# Altium PCB bas_Pcb.PcbDoc (part 1 of 2) (continued)
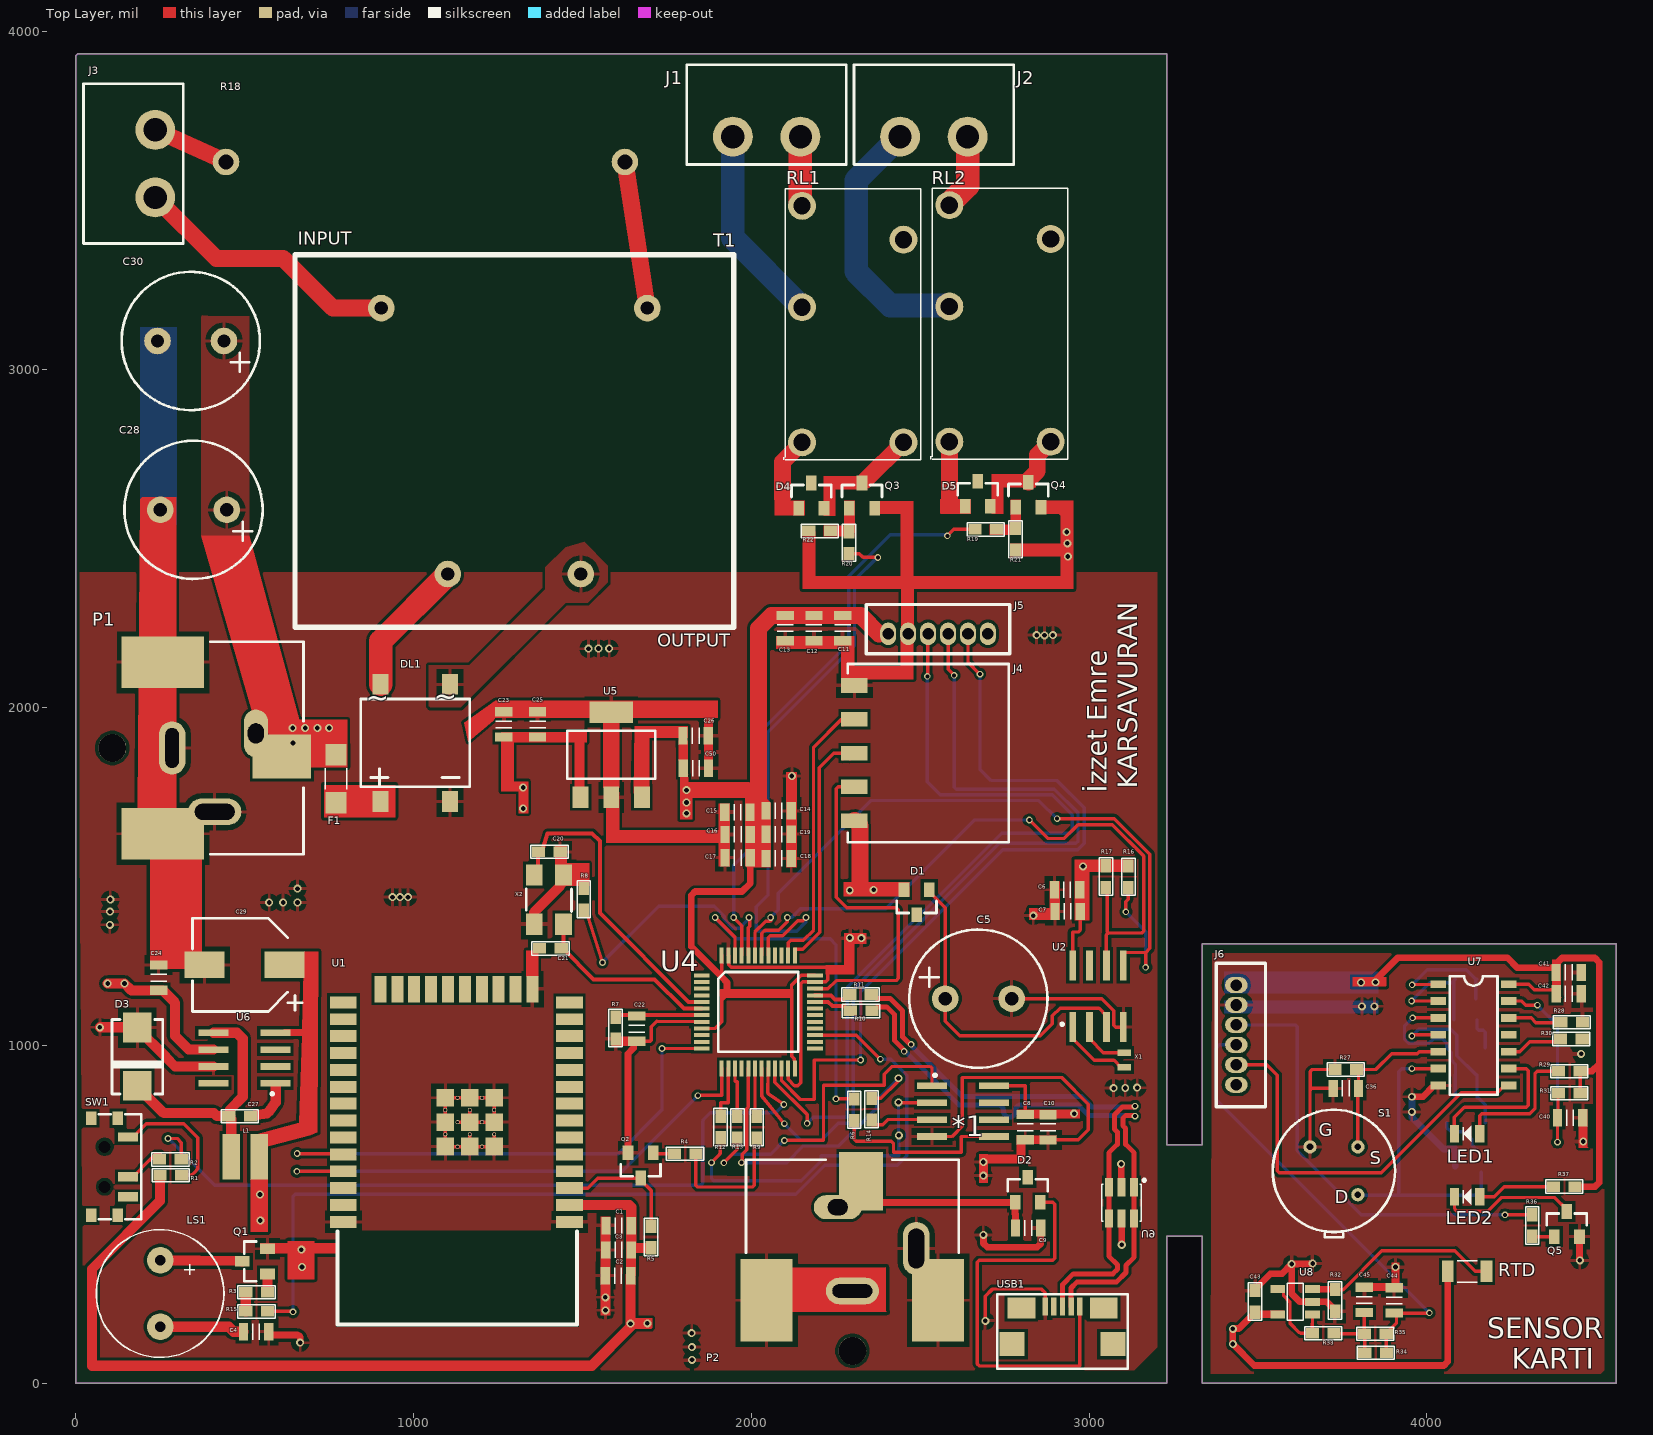
[diagram p0: Top Layer view]
## Components (designator, comment, footprint, x,y, rotation, side; value= is the part's Value field where it differs from the comment)
*1 "Max6662MSA+" SOIC8 2626.2,804.8 r270 top
C1 "CL21A475KAQNNNE" CAP_0805 1607,466 r0 top
C2 "CL21B105KBFNNNE" CAP_0805 1605,318 r180 top
C3 "CL21B104KBCNNNC" CAP_0805 1606.6,394 r180 top
C4 "CL21B104KBCNNNC" CAP_0805 533.6,152 r0 top
C5 "ESH477M050AH4AA" CAP_RADIAL_D10_P5 2672,1138 r0 top
C6 "CL21B105KBFNNNE" CAP_0805 2935.9,1396.1 r180 top
C7 "CL21B104KBCNNNC" CAP_0805 2934.7,1460.3 r180 top
C8 "CL21B104KBCNNNC" CAP_0805 2810.8,757.4 r270 top
C9 "CL21A475KAQNNNE" CAP_0805 2819.4,459 r0 top
C10 "CL21B105KBFNNNE" CAP_0805 2878,757.1 r270 top
C11 "CL21A475KAQNNNE" CAP_0805 2270,2235 r90 top
C12 "CL21A475KAQNNNE" CAP_0805 2185,2235 r90 top
C13 "CL21B105KBFNNNE" CAP_0805 2100,2235 r90 top
C14 "CL21A475KAQNNNE" CAP_0805 2080.6,1694 r180 top
C15 "CL21B105KBFNNNE" CAP_0805 1958.4,1690 r180 top
C16 "CL21B104KBCNNNC" CAP_0805 1959.4,1624 r180 top
C17 "CL21B104KBCNNNC" CAP_0805 1959.4,1555 r180 top
C18 "CL21B104KBCNNNC" CAP_0805 2080.6,1553 r0 top
C19 "CL21B104KBCNNNC" CAP_0805 2080.6,1625 r0 top
C20 "CL10C200JB8NNNC" CAP_0603 1401.91,1572.8 r180 top
C21 "CL10C200JB8NNNC" CAP_0603 1405,1286.7 r0 top
C22 "CL21B104KBCNNNC" CAP_0805 1660.3,1048.9 r270 top
C23 "CL21B105KBFNNNE" CAP_0805 1267,1949.76 r90 top
C24 "CL21B105KBFNNNE" CAP_0805 245,1200 r90 top
C25 "CL21B104KBCNNNC" CAP_0805 1366.84,1949.76 r90 top
C26 "CL21A475KAQNNNE" CAP_0805 1835,1915.9 r180 top
C27 "0603B103K160CT" CAP_0603 485,790 r180 top
C28 "ESH477M050AH4AA" CAP_RADIAL_D10_P5 348.43,2585 r180 top
C29 "EEV686M035A9HAA" CAP_EEVSERIES 499.02,1237.76 r180 top
C30 "ESH477M050AH4AA" CAP_RADIAL_D10_P5 340,3085 r180 top
C31 "C3216X5R1E336M160AC" CAP_1206 4115.75,770.2 r0 bottom
C32 "C3216X5R1E336M160AC" CAP_1206 4115.75,992.6 r0 bottom
C33 "0603B103K160CT" CAP_0603 4115.75,913.4 r180 bottom
C34 "CL21B104KBCNNNC" CAP_0805 4123,623.9 r0 bottom
C35 "0603B103K160CT" CAP_0603 4115.75,1195.5 r0 bottom
C36 "CL21B104KBCNNNC" CAP_0805 3759.7,872.2 r0 top
C37 "CL21A475KAQNNNE" CAP_0805 3736.6,1145.4 r90 bottom
C38 "CL21A475KAQNNNE" CAP_0805 3651.3,1146.1 r90 bottom
C39 "CL21B105KBFNNNE" CAP_0805 3571.1,1145.7 r90 bottom
C40 "CL21B104KBCNNNC" CAP_0805 4423.9,785.6 r180 top
C41 "CL21B104KBCNNNC" CAP_0805 4419.5,1215.6 r180 top
C42 "CL21B105KBFNNNE" CAP_0805 4419.7,1152.2 r180 top
C43 "C0603C104K5RACTU" CAP_0603 3490.8,241.5 r270 top
C44 "CL21A475KAQNNNE" CAP_0805 3814.6,246.1 r270 top
C45 "CL21B105KBFNNNE" CAP_0805 3903.1,244.5 r270 top
C50 "CL21B105KBFNNNE" CAP_0805 1835.6,1820.4 r0 top
D1 "1N4148WS" SOT23-F 2489,1423.2 r180 top
D2 "1N4148WS" SOT23-F 2818,572 r0 top
D3 "1SMB5919BT3G" SMB 182,966 r90 top
D4 "1N4148WS" SOT23-F 2177.6,2627.2 r0 top
D5 "1N4148WS" SOT23-F 2670,2632.8 r0 top
DL1 "DB105STR" DB-S/DB105STR 1005,1895 r180 top
F1 "Fulse_3413.0216.22" 1206_FULSE 770,1789.13 r90 top
J1 "TBP01R1-508-02BE" TBP01R1-508 2045,3690 r180 top
J2 "TBP01R1-508-02BE" TBP01R1-508 2540,3690 r180 top
J3 "TBP01R1-508-02BE" TBP01R1-508 235,3610 r270 top
J4 "SMH-105-02-L-S" PINHEADER1X5_RA 2305,1865 r90 top
J5 "64800611622" 64800611622 2552.64,2218 r0 top
J6 "64800611622" 64800611622 3435.5,1030.57 r270 top
L1 "78438335470" IND_1212 501.34,670 r0 top
LED1 "LTST-C171GKT" LED_GREEN_0805 4118.6,738.1 r0 top
LED2 "LH R974-LP-1" LED_RED_0805 4118.6,551.7 r0 top
LS1 "CMI-9605IC-0580T" CMI-9605IC-0580T 250,265 r0 top
P1 "PJ-037AH-SMT-TR" JACK 228.9,1895.75 r0 top
P2 "PJ-037AH-SMT-TR" JACK 2283.19,216.46 r90 top
Q1 "MMBT3904-7-F" SOT23-F 530,360 r90 top
Q2 "MMBT3904-7-F" SOT23-F 1672,644 r180 top
Q3 "MMBT3904-7-F" SOT23-F 2327.4,2627.2 r0 top
Q4 "MMBT3904-7-F" SOT23-F 2820,2630 r0 top
Q5 "MMBT3904-7-F" SOT23-F 4414,470.6 r0 top
R1 "RC0603JR-07100RL" RES_0603 281,615 r180 top
R2 "RC0603JR-07100RL" RES_0603 280,662 r180 top
R3 "RC0603JR-07100RL" RES_0603 535,269 r180 top
R4 "RC0603JR-074K7L" RES_0603 1803.7,678.9 r0 top
R5 "RC0603JR-07100RL" RES_0603 1702.9,432.3 r270 top
R6 "RC0603JR-07100RL" RES_0603 2304.2,808.9 r270 top
R7 "RC0603JR-07100RL" RES_0603 1597.9,1050.8 r270 top
R8 "RC0603JR-07100RL" RES_0603 1503.9,1431.9 r270 top
R9 "RC0603JR-07100RL" RES_0603 2015.5,757.2 r90 top
R10 "RC0603JR-0715RL" RES_0603 2324.71,1101.7 r0 top
R11 "RC0603JR-0715RL" RES_0603 2322.91,1150.4 r0 top
R12 "RC0603JR-07100RL" RES_0603 1908.8,758 r90 top
R13 "RC0603JR-07100RL" RES_0603 1958.5,757.3 r90 top
R14 "RC0603JR-07100RL" RES_0603 2355.7,810.6 r90 top
R15 "RC0603JR-07100RL" RES_0603 535,212 r0 top
R16 "RC0603JR-074K7L" RES_0603 3115.9,1498.68 r90 top
R17 "RC0603JR-074K7L" RES_0603 3049.5,1499.39 r90 top
R18 "5WD27" RES_5WD27 1035,3615 r0 top
R19 "RC0603FR-0710KL" RES_0603 2694,2527.2 r0 top
R20 "RC0603FR-0710KL" RES_0603 2289,2487.81 r90 top
R21 "RC0603FR-0710KL" RES_0603 2782,2498 r270 top
R22 "RC0603FR-0710KL" RES_0603 2201.91,2522.7 r180 top
R23 "RC0603JR-07560KL" RES_0603 4115.75,845 r180 bottom
R24 "RC0603FR-0710KL" RES_0603 4115.75,693 r0 bottom
R25 "RC0603FR-0710KL" RES_0603 4115.75,1075.3 r180 bottom
R26 "RC0603JR-07560KL" RES_0603 4115.75,1136.1 r0 bottom
R27 "RC0603JR-0743KL" RES_0603 3759.6,928.2 r0 top
R28 "RC0603JR-070RL" RES_0603 4428.2,1067.9 r180 top
R29 "RC0603FR-0710KL" RES_0603 4421.5,923.3 r0 top
R30 "RC0603JR-070RL" RES_0603 4427.2,1018.3 r180 top
R31 "RC0603JR-07220KL" RES_0603 4421.41,858.1 r0 top
R32 "RC0603FR-0710KL" RES_0603 3728.1,244.5 r90 top
R33 "RC0603FR-0710KL" RES_0603 3692.71,147.4 r0 top
R34 "RC0603JR-07220KL" RES_0603 3848.2,89.5 r0 top
R35 "RC0603JR-07220KL" RES_0603 3846.9,146 r0 top
R36 "RC0603FR-0710KL" RES_0603 4311.7,466.39 r270 top
R37 "RC0603JR-07100RL" RES_0603 4406.2,581.4 r180 top
RL1 "ALQ112" ALQ112 2300,3135 r90 top
RL2 "ALQ112" ALQ112 2736,3137 r90 top
RTD "TFPT1206L1002FM" RES_1206 4118.6,331.3 r180 top (schematic designator *2)
S1 "LHI 878/3902" "LHI 878" 3724.5,628.2 r0 top
SW1 "EG1215AA" EG1215AA 85,640 r270 top
T1 "BV302S12010" BV302S 1302.09,2784.76 r0 top
U1 "ESP32-WROOM32" ESP-32 1118.88,754.92 r180 top
U2 "M41T00M6F" SOIC8 3026,1145 r0 top
U4 "STM32F103C6T6A" LQFP48 2020.32,1098.73 r270 top
U5 "AP7361 - 33E - 13" SOT223 1585,1860 r0 top
U6 "LM2675MX-12/12VDC-5VDC" SOIC8 499.02,962.17 r90 top
U7 "NCS36000DRG" SOIC14 4137.78,1030.9 r0 top
U8 "OPA314AIDBVR" SOT23-5 3609.9,240.4 r180 top
U9 "USBLC6-2SC6" SOT23-6L 3095.6,533.4 r270 top
USB1 "10118192-0001LF" MICRO_USB_B 2921.02,227.2 r0 top
X1 "ABS05-32.768KHZ-T" ABS05 3103.8,956.6 r90 top
X2 "ECS-160-20-30B-TR" ECS 1400.2,1431.3 r90 top

## Footprints (in the part's own frame and the unit in brackets; to place one, negate y for a bottom-side part, rotate by r counter-clockwise, add the part's x,y. Pads: shape width x height; smd on the part's side, far side on the other; paste and mask are expansions set on the pad)
1206_FULSE [mm]
  rect 1.6x1.6 smd mask+0.05: 1(-1.8,0) 2(1.8,0)
  silkscreen extent -0.8,-0.8 0.8,0.8, body extent -1.61,-0.8 1.61,0.8, height 0.64
64800611622 [mm]
  oval 1.2x1.7 hole 0.87 mask+0.05: 1(-3.75,0) 2(-2.25,0) 3(-0.75,0) 4(0.75,0) 5(2.25,0) 6(3.75,0)
  silkscreen extent -5.4,-1.5 5.4,2.2, body extent -5.25,-1.4 5.25,2.1, height 4.75
ABS05 [mm]
  rect 0.5x1 smd mask+0.05: 1(-0.55,0) 2(0.55,0)
  body extent -0.8,-0.5 0.8,0.5, height 0.5
ALQ112 [mm]
  round 2.1 hole 1.3 mask+0.05: 1(6.35,-3.81) 2(1.27,3.81) 3(8.89,3.81) 4(-8.89,-3.81) 5(-8.89,3.81)
  silkscreen extent -10.22,-5.11 10.18,5.2, body extent -10,-5 10,5, height 15.6
BV302S [mm]
  round 2 hole 1 mask+0.05: 1(9.9,10.1) 5(-10.1,10.1) 7(-5.1,-9.9) 9(4.9,-9.9)
  silkscreen extent -16.6,-13.9 16.4,14.1, body extent -16.35,-13.65 16.15,13.85, height 21.8
CAP_0603 [mm]
  rect 1x0.8 smd mask+0.05: 1(-0.817,0) 2(0.818,0)
  silkscreen extent -1.4,-0.5 1.4,0.5, body extent -0.8,-0.45 0.8,0.45, height 0.8
CAP_0805 [mm]
  rect 0.7x1.3 smd mask+0.05: 1(-0.95,0) 2(0.95,0)
  silkscreen extent -0.25,-0.6 0.25,0.6, body extent -1.3,-0.68 1.3,0.68, height 0.9
CAP_1206 [mm]
  rect 0.9x1.6 smd mask+0.05: 1(-1.45,0) 2(1.45,0)
  silkscreen extent -0.3,-0.8 0.3,0.8, body extent -1.97,-0.98 1.97,0.98, height 1.3
CAP_EEVSERIES [mm]
  rect 3x2 smd mask+0.05: 1(-3,0) 2(3,0)
  silkscreen extent -4.35,-3.5 3.9,3.5, body extent -3.8,-3.4 3.8,3.4, height 8.01
CAP_RADIAL_D10_P5 [mm]
  round 2 hole 1 mask+0.05: 1(-2.5,0) 2(2.5,0)
  silkscreen extent -5.2,-5.2 5.2,5.2, body extent -5.25,-5.25 5.25,5.25, height 22.2
CMI-9605IC-0580T [mm]
  round 2 hole 0.8 mask+0.05: 1(0,-2.5) 2(0,2.5)
  silkscreen extent -4.82,-4.8 4.8,4.8, body extent -4.77,-4.79 4.83,4.81, height 8.15
DB-S/DB105STR [mm]
  rect 1.2x1.55 smd mask+0.05: 1(-2.605,-4.4) 2(2.605,-4.4) 3(2.605,4.4) 4(-2.605,4.4)
  silkscreen extent -4.1,-3.3 4.1,3.3, body extent -4.16,-5.2 4.16,5.2, height 2.66
ECS [mm]
  rect 1.6x1.25 smd mask+0.05: 1(-1.85,-1.1) 2(1.85,-1.1) 3(1.85,1.1) 4(-1.85,1.1)
  silkscreen extent -0.9,-1.7 0.8,1.7, body extent -2.5,-1.6 2.5,1.6, height 0.85
EG1215AA [mm]
  rect 0.7x1.5 smd mask+0.05: 1(-2.25,1.75) 2(0.75,1.75) 3(2.25,1.75)
  rect 1x0.8 smd mask+0.05: ""(-3.65,-1) ""(-3.65,1) ""(3.65,-1) ""(3.65,1)
  round 0 hole 0.9 mask+0.05: ""(-1.5,0) ""(1.5,0)
  silkscreen extent -3.95,-0.45 3.95,2.75, body extent -3.85,-2.7 3.85,2.2, height 1.38
ESP-32 [mm]
  rect 2x0.9 smd mask+0.05: 1(-8.7,7.06) 2(-8.7,5.79) 3(-8.7,4.52) 4(-8.7,3.25) 5(-8.7,1.98) 6(-8.7,0.71) 7(-8.7,-0.56) 8(-8.7,-1.83) 9(-8.7,-3.1) 10(-8.7,-4.37) 11(-8.7,-5.64) 12(-8.7,-6.91) 13(-8.7,-8.18) 14(-8.7,-9.45) 25(8.3,-9.45) 26(8.3,-8.18) 27(8.3,-6.91) 28(8.3,-5.64) 29(8.3,-4.37) 30(8.3,-3.1) 31(8.3,-1.83) 32(8.3,-0.56) 33(8.3,0.71) 34(8.3,1.98) 35(8.3,3.25) 36(8.3,4.52) 37(8.3,5.79) 38(8.3,7.06)
  rect 0.9x2 smd mask+0.05: 15(-5.915,-10.45) 16(-4.645,-10.45) 17(-3.375,-10.45) 18(-2.105,-10.45) 19(-0.835,-10.45) 20(0.435,-10.45) 21(1.705,-10.45) 22(2.975,-10.45) 23(4.245,-10.45) 24(5.515,-10.45)
  round 0.3 hole 0.2 mask+0.05: 39(-3.035,-1.357) 39(-3.035,0.478) 39(-2.118,-0.44) 39(-2.118,1.395) 39(-2.118,-2.275) 39(-1.2,0.478) 39(-1.2,-1.357) 39(-0.283,1.395) 39(-0.283,-0.44) 39(-0.283,-2.275) 39(0.635,0.478) 39(0.635,-1.357)
  rect 1.33x1.33 smd mask+0.05: 39(-3.035,-0.44) 39(-3.035,1.395) 39(-3.035,-2.275) 39(-1.2,1.395) 39(-1.2,-0.44) 39(-1.2,-2.275) 39(0.635,1.395) 39(0.635,-0.44) 39(0.635,-2.275)
  silkscreen extent -9.27,7.77 8.73,14.77, body extent -9.17,-10.8 8.73,14.6, height 2.61
IND_1212 [mm]
  rect 1.3x3.4 smd mask+0.05: 1(-1.05,0) 2(1.05,0)
  body extent -1.5,-1.5 1.5,1.5, height 1.2
JACK [mm]
  oval 1.8x3.6 hole 1.2 slot 1.5 at 90 deg: 1(7.725,0.7)
  rect 4.4x3.3 smd: 1(9.675,-1.05)
  rect 6.2x3.9 smd: 2(0.725,6.05) 3(0.725,-6.85)
  oval 2x4 hole 1 slot 3 at 90 deg: 2(1.425,-0.4)
  oval 4x2 hole 1.2 slot 3 at 0 deg: 3(4.625,-5.2)
  round 2.1 hole 2.1 unplated: ""(-3.075,-0.4)
  silkscreen extent 4.3,-8.4 11.3,7.6, body extent -6.18,-8.15 10.92,7.05, height 11.1
LED_GREEN_0805 [mm]
  rect 0.7x1.3 smd mask+0.05: 1(-0.95,0) 2(0.95,0)
  silkscreen extent -0.3,-0.6 0.3,0.6, body extent -1.01,-0.62 1.01,0.62, height 1.1
LED_RED_0805 [mm]
  rect 0.7x1.3 smd mask+0.05: 1(-0.95,0) 2(0.95,0)
  silkscreen extent -0.3,-0.6 0.3,0.6, body extent -1.01,-0.62 1.01,0.62, height 1.1
"LHI 878" [mm]
  round 1 hole 0.5 mask+0.05: 1(1.8,-1.8) 2(1.8,1.8) 3(-1.8,1.8)
  silkscreen extent -4.6,-5 4.6,4.6, body extent -4.6,-5.03 4.6,4.6, height 4.6
LQFP48 [mm] "7mm x 7mm"
  rect 0.3x1.2 smd mask+0.05: 1(-2.75,-4.25) 2(-2.25,-4.25) 3(-1.75,-4.25) 4(-1.25,-4.25) 5(-0.75,-4.25) 6(-0.25,-4.25) 7(0.25,-4.25) 8(0.75,-4.25) 9(1.25,-4.25) 10(1.75,-4.25) 11(2.25,-4.25) 12(2.75,-4.25) 25(2.75,4.25) 26(2.25,4.25) 27(1.75,4.25) 28(1.25,4.25) 29(0.75,4.25) 30(0.25,4.25) 31(-0.25,4.25) 32(-0.75,4.25) 33(-1.25,4.25) 34(-1.75,4.25) 35(-2.25,4.25) 36(-2.75,4.25)
  rect 1.2x0.3 smd mask+0.05: 13(4.25,-2.75) 14(4.25,-2.25) 15(4.25,-1.75) 16(4.25,-1.25) 17(4.25,-0.75) 18(4.25,-0.25) 19(4.25,0.25) 20(4.25,0.75) 21(4.25,1.25) 22(4.25,1.75) 23(4.25,2.25) 24(4.25,2.75) 37(-4.25,2.75) 38(-4.25,2.25) 39(-4.25,1.75) 40(-4.25,1.25) 41(-4.25,0.75) 42(-4.25,0.25) 43(-4.25,-0.25) 44(-4.25,-0.75) 45(-4.25,-1.25) 46(-4.25,-1.75) 47(-4.25,-2.25) 48(-4.25,-2.75)
  silkscreen extent -3,-3 3,3, body extent -4.5,-4.5 4.5,4.5, height 1.63
MICRO_USB_B [mm]
  rect 0.4x1.35 smd mask+0.05: 1(1.3,0) 2(0.65,0) 3(0,0) 4(-0.65,0) 5(-1.3,0)
  rect 1.9x1.8 smd mask+0.05: ""(-3.8,-2.85) ""(3.8,-2.85)
  rect 2.1x1.6 smd mask+0.05: ""(-3.1,-0.122) ""(3.1,-0.122)
  silkscreen extent -4.9,-4.7 4.9,0.9, body extent -3.96,-5.46 3.96,0.2, height 2.79
PINHEADER1X5_RA [mm]
  rect 1.1x2 smd mask+0.05: 1(-5.08,0) 2(-2.54,0) 3(0,0) 4(2.54,0) 5(5.08,0)
  silkscreen extent -6.7,-11.6 6.7,0.5, body extent -6.6,-11.51 6.6,0.43, height 2.41
RES_5WD27 [mm]
  round 2 hole 1.1 mask+0.05: 1(-15,0) 2(15,0)
  body extent -15.4,-4.83 15.4,4.83, height 9.65
RES_0603 [mm]
  rect 1x0.8 smd mask+0.05: 1(-0.817,0) 2(0.818,0)
  silkscreen extent -1.4,-0.5 1.4,0.5, body extent -0.8,-0.4 0.8,0.4, height 0.43
RES_1206 [mm]
  rect 0.9x1.6 smd mask+0.05: 1(-1.45,0.02) 2(1.45,0.02)
  silkscreen extent -0.75,-0.78 0.75,0.82, body extent -1.98,-0.92 1.98,0.96, height 0.55
SMB [mm]
  rect 2.25x2.12 smd mask+0.05: A(2.185,0) C(-2.185,0)
  silkscreen extent -2.8,-1.9 2.8,1.9, body extent -2.72,-1.78 2.72,1.78, height 2.44
SOIC8 [mm]
  rect 0.5x2.25 smd mask+0.05: 1(-1.905,-2.325) 2(-0.635,-2.325) 3(0.635,-2.325) 4(1.905,-2.325) 5(1.905,2.325) 6(0.635,2.325) 7(-0.635,2.325) 8(-1.905,2.325)
  silkscreen extent -2.71,-2.11 -2.69,-2.09, body extent -2.45,-3 2.45,3, height 1.75
SOIC14 [mm]
  rect 1.18x0.58 smd mask+0.05: 1(-2.66,3.81) 2(-2.66,2.54) 3(-2.66,1.27) 4(-2.66,0) 5(-2.66,-1.27) 6(-2.66,-2.54) 7(-2.66,-3.81) 8(2.66,-3.81) 9(2.66,-2.54) 10(2.66,-1.27) 11(2.66,0) 12(2.66,1.27) 13(2.66,2.54) 14(2.66,3.81)
  silkscreen extent -1.8,-4.5 1.8,4.4, body extent -3,-4.4 3,4.4, height 1.7
SOT23-5 [mm]
  rect 1.1x0.6 smd mask+0.05: 1(-1.3,0.95) 2(-1.3,0) 3(-1.3,-0.95) 4(1.3,-0.95) 5(1.3,0.95)
  silkscreen extent -0.6,-1.4 0.6,1.4, body extent -1.4,-1.45 1.4,1.45, height 1.45
SOT23-6L [mm]
  rect 1.36x0.6 smd mask+0.05: 1(-1.175,0.95) 2(-1.175,0) 3(-1.175,-0.95) 4(1.175,-0.95) 5(1.175,0) 6(1.175,0.95)
  silkscreen extent -1.8,-1.5 1.4,1.8, body extent -1.4,-1.46 1.4,1.46, height 1.45
SOT23-F [mm]
  rect 0.8x1.1 smd mask+0.05: 1(-0.95,-0.945) 2(0.95,-0.945) 3(0,0.945)
  silkscreen extent -1.5,-0.1 1.5,0.8, body extent -1.5,-1.42 1.5,1.42, height 1.2
SOT223 [mm]
  rect 1.2x1.6 smd mask+0.05: 1(-2.3,-3.2) 2(0,-3.2) 3(2.3,-3.2)
  rect 3.3x1.6 smd mask+0.05: 2(0,3.2)
  silkscreen extent -3.3,-1.8 3.3,1.8, body extent -3.25,-3.48 3.25,3.48, height 1.65
TBP01R1-508 [mm]
  round 3 hole 1.75 mask+0.05: 1(-2.54,0) 2(2.54,0)
  silkscreen extent -6,-5.4 6,2.1, body extent -5.88,-10 5.88,2, height 8.55

## Part data
*1: "Temp Sensor Digital Serial (3-Wire, SPI) 8-Pin SOIC N Tube", Case/Package=SOIC, Manufacturer=Maxim, Manufacturer Part Number=MAX6662MSA+, Max Operating Temperature=150°C, Max Power Dissipation=471mW, Max Supply Voltage=5.5V, Min Operating Temperature=-55°C, Min Supply Voltage=3V, Operating Supply Current=600uA, Package=SOIC8, Package Quantity=100, Supplier Part Number 1=MAX6662MSA+-ND, Category="Temperature and Humidity Sensors", ComponentLink1Description=https://datasheet.ciiva.com/5299/max6662-89142-5299456.pdf?src-supplier=Mouser, ComponentLink1URL=https://datasheet.ciiva.com/5299/max6662-89142-5299456.pdf?src-supplier=Mouser, ComponentLink2Description=https://datasheet.ciiva.com/16635/max6662-16635842.pdf?src-supplier=Avnet+Europe, ComponentLink2URL=https://datasheet.ciiva.com/16635/max6662-16635842.pdf?src-supplier=Avnet+Europe, ComponentLink3Description=https://datasheet.ciiva.com/3277/max6662-3277979.pdf?src-supplier=Avnet, ComponentLink3URL=https://datasheet.ciiva.com/3277/max6662-3277979.pdf?src-supplier=Avnet, ComponentLink4Description=https://datasheet.ciiva.com/2003/max6662-2003390.pdf?src-supplier=Digi-Key, ComponentLink4URL=https://datasheet.ciiva.com/2003/max6662-2003390.pdf?src-supplier=Digi-Key, Designed By="İzzet Emre KARSAVURAN", Height=1.5mm, Lead Free="Lead Free", Length=5mm, Max Supply Voltage (DC)=5.5V, Min Supply Voltage (DC)=3V, Number of Bits=12, Number of Pins=8, Output Type=Digital,SPI, Packaging=Rail/Tube, Pricing 1="1=3,20000, 10=2,87000, 25=2,71360, 100=2,35170, 500=2,00196, 1000=1,78220 (USD)", Radiation Hardening=No, REACH SVHC=Unknown, Resolution=12b, RoHS=Yes, RoHS Compliant=Yes, Series=MAX6662, Stock 1=649, Supplier 1=Digi-Key, Width=4mm, Interface=SPI
C1 C9 C11 C12 C14 C26 C37 C38 C44: library part "CAP CER 4.7uF", "SAMSUNG ELECTRO-MECHANICS - CL21A475KAQNNNE - SMD Multilayer Ceramic Capacitor, 4.7 µF, 25 V, 0805 [2012 Metric], ± 10%, X5R, CL Series", Capacitance=4.7uF, Case Code (Metric)=2012, Case Code (Imperial)=0805, Dielectric=X5R, Manufacturer=Samsung, Max Operating Temperature=85°C, Min Operating Temperature=-55°C, Package Quantity=1, Supplier Part Number 1=1276-1244-1-ND, Tolerance=10%, Voltage Rating=25V, Case/Package=0805, Category="Ceramic Capacitors", ComponentLink1Description=https://datasheet.ciiva.com/25798/cl21a475kaqnnne-25798882.pdf?src-supplier=Digi-Key, ComponentLink1URL=https://datasheet.ciiva.com/25798/cl21a475kaqnnne-25798882.pdf?src-supplier=Digi-Key, Construction=Flat, Depth=1.25mm, Designed By="İzzet Emre KARSAVURAN", Height=1.25mm, Lead Free="Lead Free", Length=2mm, Manufacturer Part Number=CL21A475KAQNNNE, Mount="Surface Mount", Packaging="Tape and Reel", Pricing 1="1=0,12000, 10=0,08300, 50=0,04720, 100=0,03910, 500=0,02742, 1000=0,02271 (USD)", Radiation Hardening=No, RoHS=Yes, RoHS Compliant=Yes, Series=CL, Stock 1=340871, Supplier 1=Digi-Key, Thickness=0.055inch, Voltage Rating (DC)=25V, Width=0.049inch
C2 C6 C10 C13 C15 C23 C24 C39 C42 C45 C50: library part "CAP CER 1uF", "SAMSUNG ELECTRO-MECHANICS - CL21B105KBFNNNE - SMD Multilayer Ceramic Capacitor, 1 µF, 50 V, 0805 [2012 Metric], ± 10%, X7R, CL Series", Capacitance=1uF, Case Code (Metric)=2012, Case Code (Imperial)=0805, Dielectric=X7R, Manufacturer=Samsung, Max Operating Temperature=125°C, Min Operating Temperature=-55°C, Package Quantity=1, Supplier Part Number 1=1276-1029-6-ND, Tolerance=10%, Voltage=50V, Case/Package=0805, Category="Ceramic Capacitors", ComponentLink1Description=https://datasheet.ciiva.com/25800/cl21b105kbfnnne-25800291.pdf?src-supplier=Digi-Key, ComponentLink1URL=https://datasheet.ciiva.com/25800/cl21b105kbfnnne-25800291.pdf?src-supplier=Digi-Key, ComponentLink2Description=https://datasheet.ciiva.com/16449/cl21b105kbfnnne-16449003.pdf?src-supplier=Future+Electronics, ComponentLink2URL=https://datasheet.ciiva.com/16449/cl21b105kbfnnne-16449003.pdf?src-supplier=Future+Electronics, ComponentLink3Description=https://datasheet.ciiva.com/26838/getdatasheetpartid-354075-26838668.pdf?src-supplier=Verical, ComponentLink3URL=https://datasheet.ciiva.com/26838/getdatasheetpartid-354075-26838668.pdf?src-supplier=Verical, Construction=Flat, Depth=1.25mm, Designed By="İzzet Emre KARSAVURAN", Height=1.25mm, Length=2mm, Manufacturer Part Number=CL21B105KBFNNNE, Mount="Surface Mount", Packaging="Tape and Reel", Pricing 1="1=0,13000, 10=0,09000, 50=0,05120, 100=0,04250, 500=0,02978, 1000=0,02465 (USD)", Radiation Hardening=No, RoHS=Yes, RoHS Compliant=Yes, Series=CL, Supplier 1=Digi-Key, Thickness=0.053inch, Voltage Rating=50V, Width=0.049inch
C3 C4 C7 C8 C16 C17 C18 C19 C22 C25 C34 C36 C40 C41: library part "CAP CER 100nF-0803", "Samsung Electro-Mechanics 100nF Multilayer Ceramic Capacitor (MLCC) 50 V 10% X7R dielectric CL max op. temp. +125C", Capacitance=100nF, Case Code (Metric)=2012, Case Code (Imperial)=0805, Dielectric=X7R, Manufacturer=Samsung, Max Operating Temperature=125°C, Min Operating Temperature=-55°C, Supplier Part Number 1=1276-1003-6-ND, Tolerance=10%, Voltage=50V, Case/Package=0805, Category="Ceramic Capacitors", ComponentLink1Description=https://datasheet.ciiva.com/25710/cl21b104kbcnnnc-25710182.pdf?src-supplier=Digi-Key, ComponentLink1URL=https://datasheet.ciiva.com/25710/cl21b104kbcnnnc-25710182.pdf?src-supplier=Digi-Key, ComponentLink2Description=https://datasheet.ciiva.com/29199/454152-da-01-en-vs-kondensator-0805-29199814.pdf?src-supplier=Conrad, ComponentLink2URL=https://datasheet.ciiva.com/29199/454152-da-01-en-vs-kondensator-0805-29199814.pdf?src-supplier=Conrad, Construction=Flat, Contact Plating=Tin, Depth=1.25mm, Designed By="İzzet Emre KARSAVURAN", Height=0.85mm, Lead Free="Lead Free", Length=2mm, Manufacturer Part Number=CL21B104KBCNNNC, Material=Ceramic, Mount="Surface Mount", Packaging="Tape and Reel", Pricing 1="1=0,10000, 10=0,05000, 50=0,02740, 100=0,02240, 500=0,01598, 1000=0,01256 (USD)", Radiation Hardening=No, RoHS=Yes, RoHS Compliant=Yes, Series=CL, Supplier 1=Digi-Key, Thickness=0.037inch, Voltage Rating=50V, Voltage Rating (DC)=50V, Width=0.049inch
C5 C28 C30: library part "CAP ALU ELEC 470uF 50V", "Cap, 470UF, 50V, Alu Elec, Radial", Capacitance=470uF, Case/Package=Radial, Manufacturer=KEMET, Max Operating Temperature=105°C, Min Operating Temperature=-40°C, Supplier Part Number 1=399-15683-ND, Tolerance=20%, Voltage Rating=50V, ComponentLink1Description=https://api.kemet.com/component-edge/download/datasheet/ESH477M050AH4AA.pdf?src-supplier=Digi-Key, ComponentLink1URL=https://api.kemet.com/component-edge/download/datasheet/ESH477M050AH4AA.pdf?src-supplier=Digi-Key, Designed By="İzzet Emre KARSAVURAN", Life (Hours)=2000Hour, Manufacturer Part Number=ESH477M050AH4AA, Mount="Through Hole", Packaging=Bulk, Polarity=Polar, Pricing 1="1=0,59000, 10=0,41700, 50=0,31540, 100=0,27470, 500=0,20350, 1000=0,17298, 2500=0,16280, 5000=0,15262 (USD)", RoHS=Yes, RoHS Compliant=No, Supplier 1=Digi-Key
C20 C21: library part "CAP CER 20pF", "SAMSUNG ELECTRO-MECHANICS - CL10C200JB8NNNC - SMD Multilayer Ceramic Capacitor, 20 pF, 50 V, 0603 [1608 Metric], ± 5%, C0G / NP0, CL Series", Capacitance=20pF, Case Code (Metric)=1608, Case Code (Imperial)=0603, Dielectric=C0G, Manufacturer=Samsung, Max Operating Temperature=125°C, Min Operating Temperature=-55°C, Package Quantity=1, Supplier Part Number 1=1276-1187-1-ND, Temperature Coefficient=300ppm/°C, Tolerance=5%, Voltage=50V, Case/Package=0603, Category="Ceramic Capacitors", ComponentLink1Description=https://datasheet.ciiva.com/26877/getdatasheetpartid-640634-26877974.pdf?src-supplier=Verical, ComponentLink1URL=https://datasheet.ciiva.com/26877/getdatasheetpartid-640634-26877974.pdf?src-supplier=Verical, ComponentLink2Description=https://datasheet.ciiva.com/26310/mlcc-catalogdownload2013-eng-26310315.pdf?src-supplier=Distrelec, ComponentLink2URL=https://datasheet.ciiva.com/26310/mlcc-catalogdownload2013-eng-26310315.pdf?src-supplier=Distrelec, Construction=Flat, Depth=0.8mm, Designed By="İzzet Emre Karsavuran", Height=0.8mm, Length=1.6mm, Manufacturer Part Number=CL10C200JB8NNNC, Mount="Surface Mount", Packaging="Tape and Reel", Pricing 1="1=0,10000, 10=0,04900, 50=0,02680, 100=0,02180, 500=0,01558, 1000=0,01224 (USD)", Radiation Hardening=No, RoHS=Yes, RoHS Compliant=Yes, Series=CL, Stock 1=532482, Supplier 1=Digi-Key, Thickness=0.035inch, Voltage Rating=50V, Width=0.031inch
C27 C33 C35: library part "CAP CER 10nF", "WALSIN         0603B103K160CT             SMD Multilayer Ceramic Capacitor, 0603 [1608 Metric], 0.01 F, 16 V,  10%, X7R", Capacitance=10nF, Case Code (Metric)=1608, Case Code (Imperial)=0603, Dielectric=X7R, Manufacturer="Walsin Technologies", Max Operating Temperature=125°C, Min Operating Temperature=-55°C, Supplier Part Number 1=1292-1384-1-ND, Tolerance=10%, Voltage Rating=16V, Case/Package=0603, Category="Ceramic Capacitors", ComponentLink1Description=http://www.farnell.com/datasheets/1958513.pdf?src-supplier=Farnell, ComponentLink1URL=http://www.farnell.com/datasheets/1958513.pdf?src-supplier=Farnell, ComponentLink2Description=http://components.arrow.com/part/dataview/0323_00656382?src-supplier=Arrow+Europe, ComponentLink2URL=http://components.arrow.com/part/dataview/0323_00656382?src-supplier=Arrow+Europe, ComponentLink3Description=http://www.farnell.com/datasheets/1958513.pdf?src-supplier=Element14, ComponentLink3URL=http://www.farnell.com/datasheets/1958513.pdf?src-supplier=Element14, ComponentLink4Description=http://www.passivecomponent.com/wp-content/uploads/2018/10/MLCC.pdf?src-supplier=Digi-Key, ComponentLink4URL=http://www.passivecomponent.com/wp-content/uploads/2018/10/MLCC.pdf?src-supplier=Digi-Key, Depth=0.8mm, Designed By="İzzet Emre KARSAVURAN", Length=1.6mm, Manufacturer Part Number=0603B103K160CT, Packaging="Tape and Reel", Pricing 1="1=0,10000, 10=0,03700, 50=0,02040, 100=0,01660, 500=0,01188, 1000=0,00933 (USD)", REACH SVHC=Unknown, RoHS=Yes, RoHS Compliant=Yes, Stock 1=46584, Supplier 1=Digi-Key, Voltage Rating (DC)=16V
C29: library part "CAP ALU 68uF", "Cap Aluminum Lytic 68uF 35V 20% (6.3 X 7.7mm) SMD 280mA 2000h 105C T/R", Capacitance=68uF, Case/Package=Radial, Manufacturer=KEMET, Max Operating Temperature=105°C, Min Operating Temperature=-40°C, Package Quantity=1, Ripple Current=196mA, Supplier Part Number 1=399-6722-1-ND, Tolerance=20%, Voltage Rating=35V, Category="Aluminum Electrolytic Capacitors", ComponentLink1Description=https://datasheet.ciiva.com/5365/kem-a4002-eev-535332-5365784.pdf?src-supplier=Mouser, ComponentLink1URL=https://datasheet.ciiva.com/5365/kem-a4002-eev-535332-5365784.pdf?src-supplier=Mouser, Designed By="İzzet Emre KARSAVURAN", Height - Seated (Max)=0.315inch, Length=7.7mm, Life (Hours)=2000Hour, Manufacturer Part Number=EEV686M035A9HAA, Mount="Surface Mount", Packaging="Tape and Reel", Pricing 1="1=0,56000, 10=0,39700, 50=0,30060, 100=0,26180, 500=0,19388 (USD)", RoHS=Yes, RoHS Compliant=Yes, Series=EEV, Stock 1=6249, Supplier 1=Digi-Key, Termination=SMD/SMT, Voltage Rating (DC)=35V, Impedance=340mR
C31 C32: library part "CAP CER 33uF", "Cap Ceramic 33uF 25V X5R 20% SMD 1206 85C T/R", Capacitance=33uF, Case Code (Metric)=3216, Case Code (Imperial)=1206, Dielectric=X5R, Dielectric Material=Ceramic, Manufacturer=TDK, Max Operating Temperature=85°C, Min Operating Temperature=-55°C, Package Quantity=1, Supplier Part Number 1=445-8046-6-ND, Tolerance=20%, Voltage Rating=25V, Case/Package=1206, Category="Ceramic Capacitors", ComponentLink1Description=https://datasheet.ciiva.com/24216/c3216x5r1e336m160ac-265051-24216512.pdf?src-supplier=Mouser, ComponentLink1URL=https://datasheet.ciiva.com/24216/c3216x5r1e336m160ac-265051-24216512.pdf?src-supplier=Mouser, ComponentLink2Description=https://datasheet.ciiva.com/6285/tdkmlcccaprange-6285278.pdf?src-supplier=Digi-Key, ComponentLink2URL=https://datasheet.ciiva.com/6285/tdkmlcccaprange-6285278.pdf?src-supplier=Digi-Key, Depth=1.6mm, Designed By="İzzet Emre KARSAVURAN", Lead Free="Lead Free", Length=3.2mm, Manufacturer Part Number=C3216X5R1E336M160AC, Mount="Surface Mount", Packaging="Tape and Reel", Pricing 1="1=1,09000, 10=0,86200, 50=0,74760, 100=0,64690, 500=0,48876, 1000=0,43125 (USD)", REACH SVHC="No SVHC", Resistor Type=Ceramic, RoHS=Yes, RoHS Compliant=Yes, Series=C, Supplier 1=Digi-Key, Termination=SMD/SMT, Thickness=1.6mm, Voltage Rating (DC)=25V, Weight=0.000571oz, Width=0.063inch
C43: library part "CAP CER 100nF 0603", "Multilayer Ceramic Capacitors (MLCC) - SMD/SMT 50volts 0.1uF X7R 10%", Capacitance=100nF, Case Code (Metric)=1608, Case Code (Imperial)=0603, Dielectric=X7R, Dielectric Material=Ceramic, Manufacturer=KEMET, Max Operating Temperature=125°C, Min Operating Temperature=-55°C, Package=Cap_0603, Package Quantity=1, Supplier Part Number 1=399-5089-1-ND, Tolerance=10%, Voltage=50V, Case/Package=0603, Category="Ceramic Capacitors", ComponentLink1Description=https://datasheet.ciiva.com/7823/kem-c1002-x7r-smd-7823591.pdf?src-supplier=Element14, ComponentLink1URL=https://datasheet.ciiva.com/7823/kem-c1002-x7r-smd-7823591.pdf?src-supplier=Element14, ComponentLink2Description=https://datasheet.ciiva.com/7823/kem-c1002-x7r-smd-7823592.pdf?src-supplier=Element14, ComponentLink2URL=https://datasheet.ciiva.com/7823/kem-c1002-x7r-smd-7823592.pdf?src-supplier=Element14, ComponentLink3Description=https://datasheet.ciiva.com/5999/kem-c1002-x7r-smd-5999400.pdf?src-supplier=Farnell, ComponentLink3URL=https://datasheet.ciiva.com/5999/kem-c1002-x7r-smd-5999400.pdf?src-supplier=Farnell, ComponentLink4Description=https://datasheet.ciiva.com/28645/1851736-28645640.pdf?src-supplier=Element14, ComponentLink4URL=https://datasheet.ciiva.com/28645/1851736-28645640.pdf?src-supplier=Element14, ComponentLink5Description=https://datasheet.ciiva.com/14585/70095383-14585209.pdf?src-supplier=Allied+Electronics, ComponentLink5URL=https://datasheet.ciiva.com/14585/70095383-14585209.pdf?src-supplier=Allied+Electronics, ComponentLink6Description=https://datasheet.ciiva.com/14602/70095383-14602583.pdf?src-supplier=Allied+Electronics, ComponentLink6URL=https://datasheet.ciiva.com/14602/70095383-14602583.pdf?src-supplier=Allied+Electronics, Contact Plating=Tin,Matte, Depth=0.8mm, Designed By="İzzet Emre KARSAVURAN", Dissipation Factor=2.5%, Height=0.8mm, Lead Pitch=0.7mm, Length=0.063inch, Manufacturer Part Number=C0603C104K5RACTU, Mount="Surface Mount", Number of Pins=2, Packaging="Tape and Reel", Pricing 1="1=0,12000, 10=0,08900, 50=0,04840, 100=0,03940, 500=0,02818, 1000=0,02214 (USD)", Radiation Hardening=No, REACH SVHC="No SVHC", RoHS=Yes, RoHS Compliant=Yes, Series="SMD Comm X7R", Stock 1=5157733, Supplier 1=Digi-Key, Termination=SMD/SMT, Thickness=0.034inch, Voltage Rating=50V, Voltage Rating (DC)=50V, Width=0.031inch
D1 D2 D4 D5: "ON SEMICONDUCTOR - 1N4148WS - Small Signal Diode, Single, 75 V, 150 mA, 1 V, 4 ns", Average Rectified Current=150mA, Case/Package=SOC323F, Forward Voltage=1V, Manufacturer="ON Semiconductor / Fairchild", Max Forward Surge Current (Ifsm)=2A, Max Operating Temperature=150°C, Max Repetitive Reverse Voltage (Vrrm)=75V, Max Reverse Current=5uA, Min Operating Temperature=-55°C, Package Quantity=1, Power Dissipation=200mW, Supplier Part Number 1=1N4148WSFSCT-ND, Category="Rectifier Diodes", ComponentLink1Description=https://datasheet.ciiva.com/25968/1n914bws-25968945.pdf?src-supplier=Avnet+Europe, ComponentLink1URL=https://datasheet.ciiva.com/25968/1n914bws-25968945.pdf?src-supplier=Avnet+Europe, ComponentLink2Description=https://datasheet.ciiva.com/30479/0900766b810e1cd3-30479206.pdf?src-supplier=RSComponents, ComponentLink2URL=https://datasheet.ciiva.com/30479/0900766b810e1cd3-30479206.pdf?src-supplier=RSComponents, ComponentLink3Description=https://datasheet.ciiva.com/8300/1n914bws-8300360.pdf?src-supplier=Avnet, ComponentLink3URL=https://datasheet.ciiva.com/8300/1n914bws-8300360.pdf?src-supplier=Avnet, ComponentLink4Description=https://datasheet.ciiva.com/15208/getdatasheetpartid-127819-15208358.pdf?src-supplier=Verical, ComponentLink4URL=https://datasheet.ciiva.com/15208/getdatasheetpartid-127819-15208358.pdf?src-supplier=Verical, ComponentLink5Description=https://datasheet.ciiva.com/910/1n4148ws-910381.pdf?src-supplier=Digi-Key, ComponentLink5URL=https://datasheet.ciiva.com/910/1n4148ws-910381.pdf?src-supplier=Digi-Key, ComponentLink6Description=https://datasheet.ciiva.com/910/1n4148ws-910382.pdf?src-supplier=Digi-Key, ComponentLink6URL=https://datasheet.ciiva.com/910/1n4148ws-910382.pdf?src-supplier=Digi-Key, ComponentLink7Description=https://datasheet.ciiva.com/910/1n4148ws-910380.pdf?src-supplier=Digi-Key, ComponentLink7URL=https://datasheet.ciiva.com/910/1n4148ws-910380.pdf?src-supplier=Digi-Key, Contact Plating=Tin,Matte, Designed By="İzzet Emre KARSAVURAN", Element Configuration=Single, Forward Current=150mA, Height=1mm, Lead Free="Lead Free", Length=1.8mm, Manufacturer Part Number=1N4148WS, Max Reverse Voltage (DC)=75V, Mount="Surface Mount", Number of Pins=2, Packaging="Tape and Reel", Pricing 1="1=0,21000, 10=0,19200, 100=0,10460, 500=0,06436, 1000=0,04388 (USD)", Radiation Hardening=No, REACH SVHC="No SVHC", Recovery Time=4ns, Reverse Recovery Time=4ns, Reverse Voltage=75V, RoHS=Yes, RoHS Compliant=Yes, Series=-, Supplier 1=Digi-Key, Weight=0.0276g, Width=1.35mm